# Altium PCB PCB1.PcbDoc (part 1 of 2) (continued)
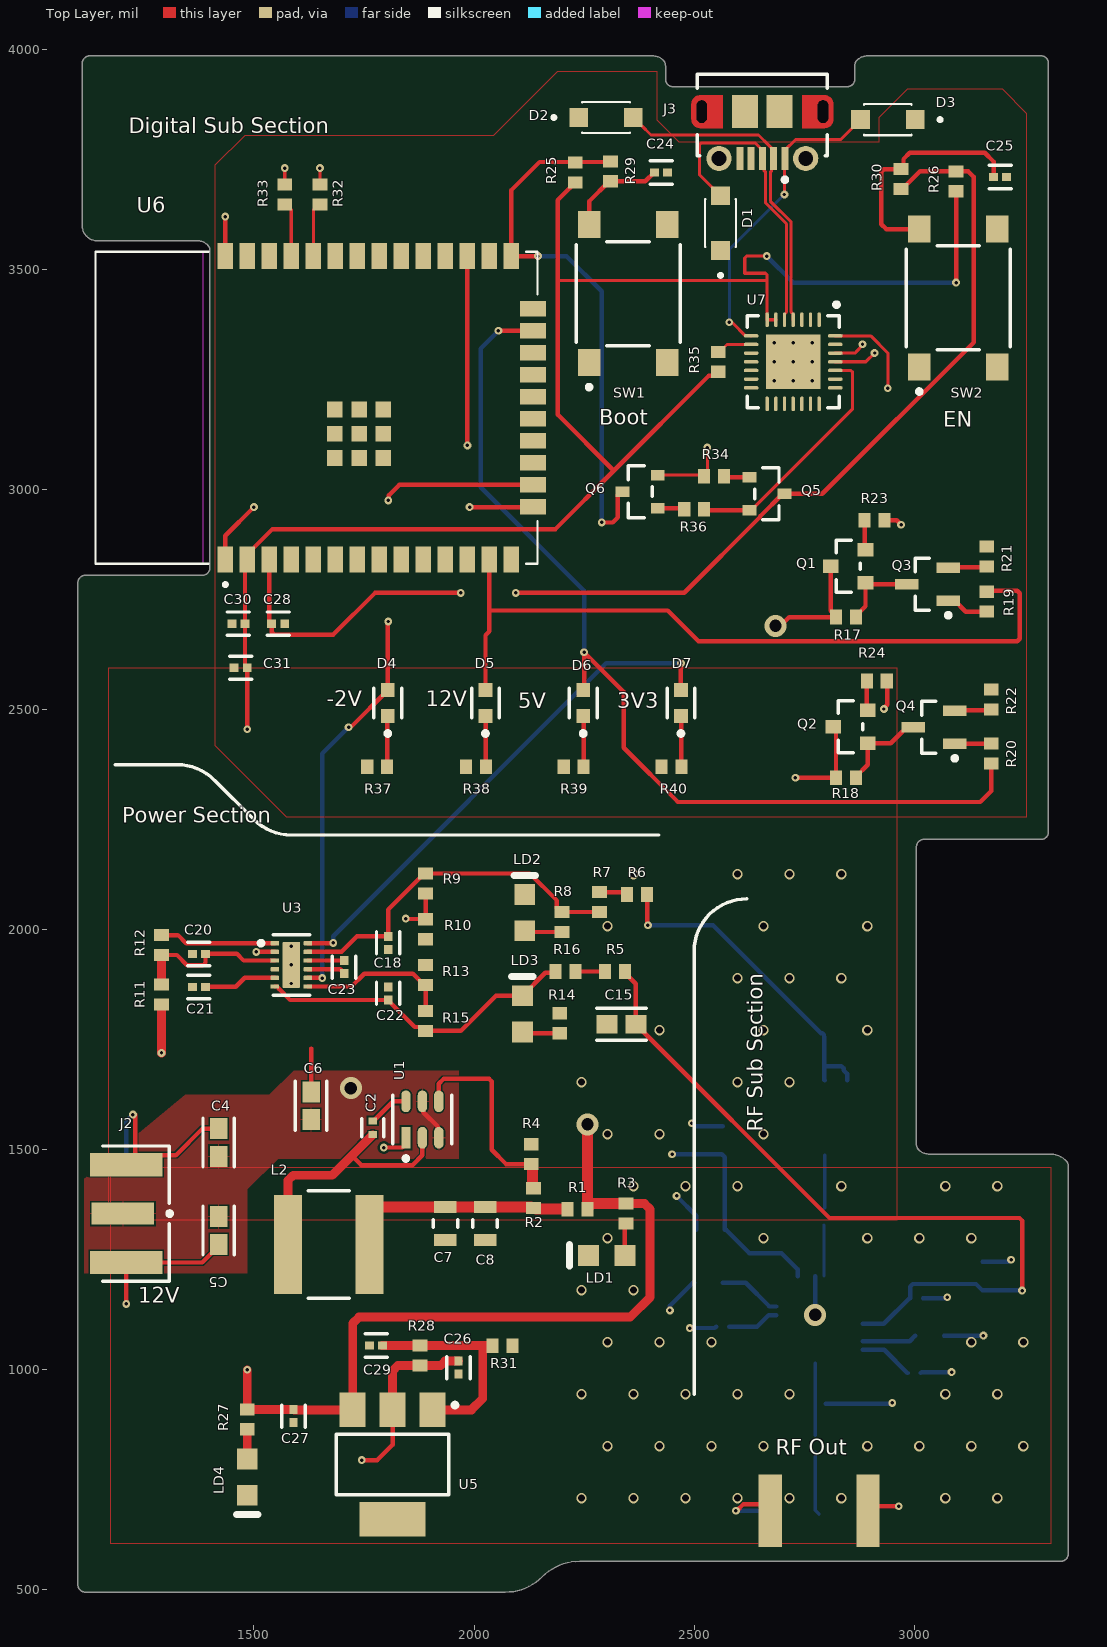
[diagram p0: Top Layer view]
## Board outline (continued)

## Design rules (kind name [scope] priority, off if disabled: settings)
BoardOutlineClearance [All] p1: gap=7.87 ignorepadtopadclearanceinfootprint=FALSE
Clearance [All] p1: gap=3.5 ignorepadtopadclearanceinfootprint=FALSE except(5: Arc-Via Track-Via SMDPad-Via THPad-Via Via-Via Via-Fill Via-Poly Via-Region Via-Text; 9.84: Arc-Hole Track-Hole SMDPad-Hole THPad-Hole Via-Hole Fill-Hole Poly-Hole Region-Hole Text-Hole)
ComponentClearance [All] p1: gap=3.5 collisioncheckmode=3 verticalgap=3.5 showdistances=TRUE
DiffPairsRouting [All] p1: maxlimit=3.5 minlimit=3.5 mostfreqgap=3.5 toplayer_minwidth=3.5 toplayer_maxwidth=71497.94 toplayer_prefwidth=3.5 midlayer1_minwidth=3.5 midlayer1_maxwidth=71497.94 midlayer1_prefwidth=3.5 bottomlayer_minwidth=3.5 bottomlayer_maxwidth=71497.94 bottomlayer_prefwidth=3.5 maxuncoupledlength=500
Height [All] p1: minheight=0 maxheight=71497.94 prefheight=500
HoleSize [All] p1: absolutevalues=TRUE maxlimit=248.03 minlimit=7.87 maxpercent=80.000 minpercent=20.000
HoleToHoleClearance [All] p1: gap=9.84 allowstackedmicrovias=FALSE
MinimumAnnularRing [All] p1: minimumring=3
MinimumSolderMaskSliver [All] p1: minsoldermaskwidth=0
PlaneClearance [All] p1: clearance=3.5
PlaneConnect PlaneConnectPowerPads [InPadClass('PowerPads')] p1: planeconnectstyle=Direct reliefexpansion=20 reliefentries=4 reliefconductorwidth=10 reliefairgap=10
PlaneConnect [All] p2: pad.planeconnectstyle=Relief pad.reliefexpansion=11.81 pad.reliefentries=4 pad.reliefconductorwidth=3.5 pad.reliefairgap=3.5 via.planeconnectstyle=Direct via.reliefexpansion=11.81 via.reliefentries=4 via.reliefconductorwidth=5 via.reliefairgap=5
PolygonConnect PolygonConnectPowerPads [All vs (InPadClass('PowerPads'))] p1: connectstyle=Direct reliefconductorwidth=10 reliefentries=4 polygonreliefangle="90 Angle" airgapwidth=10
PolygonConnect [All] p2: thpad.connectstyle=Relief thpad.reliefconductorwidth=3.5 thpad.reliefentries=4 thpad.polygonreliefangle="90 Angle" thpad.airgapwidth=3.5 smdpad.connectstyle=Relief smdpad.reliefconductorwidth=3.5 smdpad.reliefentries=4 smdpad.polygonreliefangle="90 Angle" smdpad.airgapwidth=3.5 via.connectstyle=Direct via.reliefconductorwidth=5 via.reliefentries=4 via.polygonreliefangle="90 Angle" via.airgapwidth=5
RoutingVias [All] p1: holewidth=7.87 width=17.72 viastyle="Through Hole" minholewidth=7.87 minwidth=17.72 maxholewidth=248.03 maxwidth=257.87
SilkToSilkClearance [All] p1: silktosilkclearance=0
SilkToSolderMaskClearance [IsPad] p1: minsilkscreentomaskgap=3.5 clearancetoexposedcopper=TRUE
SolderMaskExpansion [All] p1: expansion=2.95 istentingtop=FALSE
SupplyNets "Schematic Supply Nets_5" [InNet('GND')] p1: voltage=0.000
SupplyNets "Schematic Supply Nets_4" [InNet('RF_AMP_VDD_12V')] p2: voltage=0.000
SupplyNets "Schematic Supply Nets_3" [InNet('12PS5_Out')] p3: voltage=0.000
SupplyNets "Schematic Supply Nets_2" [InNet('ESP32_3V3')] p4: voltage=0.000
SupplyNets "Schematic Supply Nets_1" [InNet('VcoVcc3V')] p5: voltage=0.000
SupplyNets "Schematic Supply Nets" [InNet('+12V')] p6: voltage=0.000
Width Width_RF50 [InNetClass('50RF')] p1: maxlimit=10 minlimit=7.26 preferedwidth=10 bottomlayer_maxwidth=7.26 bottomlayer_prefwidth=7.26 impedanceprofiledriven=TRUE impedanceprofileid={9A43360E-365C-4584-B36D-1D618E2E895E} impedanceprofilevalue=50.000000 minimp=50.000000 maximp=50.000000 favimp=50.000000
Width [All] p2: maxlimit=71497.94 minlimit=3.5 preferedwidth=3.5
20 further rules are at their usual default settings.

## Classes and differential pairs
net class 50RF: NetC1_1 NetC3_2 RF_AMP_OUT VcoRfOut
differential pair ESP32_USB_D: +ESP32_USB_D_P -ESP32_USB_D_N

## Components (designator, comment, footprint, x,y, rotation, side; value= is the part's Value field where it differs from the comment)
C1 "GCM1555C1H102FA16D" FP-GCM155-0_05-IPC_A 2775,831.75 r270 bottom
C2 "GRM155R71C104KA88D" FP-GRM15-MFG 1770,1550 r270 top value=0.10μF
C3 "GCM1555C1H102FA16D" FP-GCM155-0_05-IPC_A 2795,1347.91 r270 bottom
C4 "GRM188R60J106ME47D" FP-GRM188-0_1-e0_2_0_55-IPC_A 1420,1516.57 r90 top
C5 "GRM188R60J106ME47D" FP-GRM188-0_1-e0_2_0_55-IPC_A 1420,1316.57 r270 top
C6 "GRM188R60J106ME47D" FP-GRM188-0_1-e0_2_0_55-IPC_A 1630,1600 r90 top
C7 "GRM21BR60J226ME39L" FP-GRM21B-0_15-MFG 1935,1332.6 r270 top
C8 "GRM21BR60J226ME39L" FP-GRM21B-0_15-MFG 2025,1332.6 r270 top
C9 "06035C102KAT2A" FP-0603-L_1_6_0_15-W_0_81-IPC_A 2532.49,1197.91 r180 bottom
C10 "CL05A475MP5NRNC" FP-CL282-IPC_C 2565,1097.91 r180 bottom
C11 "CL05A475MP5NRNC" FP-CL282-IPC_C 3000,992.91 r0 bottom
C12 "06035C102KAT2A" FP-0603-L_1_6_0_15-W_0_81-IPC_A 3035,1077.91 r0 bottom
C13 "CL05A475MP5NRNC" FP-CL282-IPC_C 3005,1162.91 r0 bottom
C14 "06035C102KAT2A" FP-0603-L_1_6_0_15-W_0_81-IPC_A 3155,1212.91 r90 bottom
C15 "06035C102KAT2A" FP-0603-L_1_6_0_15-W_0_81-IPC_A 2335,1785 r180 top
C16 "06035C102KAT2A" FP-0603-L_1_6_0_15-W_0_81-IPC_A 2537.49,1317.91 r180 bottom
C17 "06035C102KAT2A" FP-0603-L_1_6_0_15-W_0_81-IPC_A 2565,1520.43 r90 bottom
C18 "CL05A475MP5NRNC" FP-CL282-IPC_C 1805,1970 r90 top
C19 "GRJ155R60J106ME11D" FP-GRJ155-0_2-MFG 2813.7,1757.91 r0 bottom
C20 "CL05A475MP5NRNC" FP-CL282-IPC_C 1375.1,1945 r0 top
C21 "CL05A475MP5NRNC" FP-CL282-IPC_C 1375.1,1870 r0 top
C22 "CL05A475MP5NRNC" FP-CL282-IPC_C 1805,1855 r90 top
C23 "CL05A475MP5NRNC" FP-CL282-IPC_C 1705,1915.1 r270 top
C24 "CL05A475MP5NRNC" FP-CL282-IPC_C 2425,3720 r0 top
C25 "CL05A475MP5NRNC" FP-CL282-IPC_C 3195.1,3710 r0 top
C26 "CL05A475MP5NRNC" FP-CL282-IPC_C 1965,1005.1 r90 top
C27 "CL05A475MP5NRNC" FP-CL282-IPC_C 1590,895 r90 top
C28 "CL05A475MP5NRNC" FP-CL282-IPC_C 1555.1,2695 r0 top
C29 "CL05A475MP5NRNC" FP-CL282-IPC_C 1777.36,1055 r0 top
C30 "CL05A475MP5NRNC" FP-CL282-IPC_C 1464.9,2695 r0 top
C31 "CL05A475MP5NRNC" FP-CL282-IPC_C 1470,2595 r0 top
D1 "SMF16A" SODFL3718X102N 2560,3605 r90 top
D2 "SMF16A" SODFL3718X102N 2300,3845 r0 top
D3 "SMF16A" SODFL3718X102N 2940,3840 r180 top
D4 "LTST-C191TBKT" FP-LTST-C191TBKT-MFG 1804.02,2514.53 r90 top
D5 "LTST-C191TBKT" FP-LTST-C191TBKT-MFG 2026.01,2514.53 r90 top
D6 "LTST-C191TBKT" FP-LTST-C191TBKT-MFG 2248.01,2514.53 r90 top
D7 "LTST-C191TBKT" FP-LTST-C191TBKT-MFG 2470,2514.53 r90 top
J1 "SMA RF OUT" FP-SMA-J-P-H-ST-EM1-MFG 2783.78,409.92 r180 bottom
J2 "SMA RF OUT" FP-SMA-J-P-H-ST-EM1-MFG 940,1355 r270 top
J3 "105017-0001" USB-MICRO-B_V 2655,3805 r180 top
L1 "LQP03HQ1N2B02D" FP-LQP03HQ_02-MFG 2786.81,922.91 r180 bottom
L2 "NR6028T4R7M" FP-NR6028-MFG 1670,1285 r0 top
LD1 "HSMG-C170" AVAG-HSMX-C170_V 2301.34,1260 r180 top
LD2 "HSMG-C170" AVAG-HSMX-C170_V 2115,2038.66 r90 top
LD3 "HSMG-C170" AVAG-HSMX-C170_V 2110,1808.66 r90 top
LD4 "HSMG-C170" AVAG-HSMX-C170_V 1485,756.34 r270 top
Q1 "DMP1045U-7" FP-SOT23-MFG 2850,2825.55 r180 top
Q2 "DMP1045U-7" FP-SOT23-MFG 2855,2460.98 r180 top
Q3 "BC847B" INF-SOT23_M 3030,2785 r180 top
Q4 "BC847B" INF-SOT23_M 3045,2460 r180 top
Q5 "SS8050-G" FP-SS8050-G-MFG 2665.24,2990 r0 top
Q6 "SS8050-G" FP-SS8050-G-MFG 2377.44,2995 r180 top
R1 "CRCW060354K9FKEA" RESC1609X50X30LL10T20 2235,1365 r180 top
R2 "CRCW060354K9FKEA" RESC1609X50X30LL10T20 2135,1390 r270 top
R3 "CRCW060354K9FKEA" RESC1609X50X30LL10T20 2345,1355 r270 top
R4 "CRCW060354K9FKEA" RESC1609X50X30LL10T20 2130,1490 r270 top
R5 "CRCW060354K9FKEA" RESC1609X50X30LL10T20 2320,1905 r0 top
R6 "CRCW060354K9FKEA" RESC1609X50X30LL10T20 2370,2080 r0 top
R7 "CRCW060354K9FKEA" RESC1609X50X30LL10T20 2285,2062.64 r270 top
R8 "CRCW060354K9FKEA" RESC1609X50X30LL10T20 2200,2017.36 r270 top
R9 "CRCW060354K9FKEA" RESC1609X50X30LL10T20 1890,2105 r90 top
R10 "CRCW060354K9FKEA" RESC1609X50X30LL10T20 1890,2000.88 r90 top
R11 "CRCW060354K9FKEA" RESC1609X50X30LL10T20 1290,1852.36 r270 top
R12 "CRCW060354K9FKEA" RESC1609X50X30LL10T20 1290,1965 r90 top
R13 "CRCW060354K9FKEA" RESC1609X50X30LL10T20 1890,1896.76 r90 top
R14 "CRCW060354K9FKEA" RESC1609X50X30LL10T20 2195,1787.36 r270 top
R15 "CRCW060354K9FKEA" RESC1609X50X30LL10T20 1890,1792.64 r90 top
R16 "CRCW060354K9FKEA" RESC1609X50X30LL10T20 2207.64,1905 r180 top
R17 "CRCW060354K9FKEA" RESC1609X50X30LL10T20 2845,2710 r180 top
R18 "CRCW060354K9FKEA" RESC1609X50X30LL10T20 2845,2345 r180 top
R19 "CRCW060354K9FKEA" RESC1609X50X30LL10T20 3165,2745 r270 top
R20 "CRCW060354K9FKEA" RESC1609X50X30LL10T20 3175,2400 r90 top
R21 "CRCW060354K9FKEA" RESC1609X50X30LL10T20 3165,2847.64 r270 top
R22 "CRCW060354K9FKEA" RESC1609X50X30LL10T20 3175,2522.64 r270 top
R23 "CRCW060354K9FKEA" RESC1609X50X30LL10T20 2910,2930 r0 top
R24 "CRCW060354K9FKEA" RESC1609X50X30LL10T20 2915,2565 r0 top
R25 "CRCW060354K9FKEA" RESC1609X50X30LL10T20 2230,3720 r90 top
R26 "CRCW060354K9FKEA" RESC1609X50X30LL10T20 3095,3700 r90 top
R27 "CRCW060354K9FKEA" RESC1609X50X30LL10T20 1485,887.64 r90 top
R28 "CRCW060354K9FKEA" RESC1609X50X30LL10T20 1877.36,1032.64 r270 top
R29 "CRCW060354K9FKEA" RESC1609X50X30LL10T20 2310,3722.64 r270 top
R30 "CRCW060354K9FKEA" RESC1609X50X30LL10T20 2970,3705 r90 top
R31 "CRCW060354K9FKEA" RESC1609X50X30LL10T20 2065,1055 r180 top
R32 "CRCW060354K9FKEA" RESC1609X50X30LL10T20 1650,3670 r270 top
R33 "CRCW060354K9FKEA" RESC1609X50X30LL10T20 1570,3670 r270 top
R34 "CRCW060354K9FKEA" RESC1609X50X30LL10T20 2545,3030 r180 top
R35 "CRCW060354K9FKEA" RESC1609X50X30LL10T20 2555,3290 r90 top
R36 "CRCW060354K9FKEA" RESC1609X50X30LL10T20 2500.08,2955 r180 top
R37 "CRCW060354K9FKEA" RESC1609X50X30LL10T20 1780,2370 r180 top
R38 "CRCW060354K9FKEA" RESC1609X50X30LL10T20 2004.36,2370 r180 top
R39 "CRCW060354K9FKEA" RESC1609X50X30LL10T20 2226.35,2370 r180 top
R40 "CRCW060354K9FKEA" RESC1609X50X30LL10T20 2448.35,2370 r180 top
SW1 "PTS645SM43SMTR92LFS" FP-PTS645SM43SMTR92LFS-MFG 2350,3445 r90 top
SW2 "PTS645SM43SMTR92LFS" FP-PTS645SM43SMTR92LFS-MFG 3100,3435 r90 top
U1 "TPS562201DDCR" FP-DDC0006A-IPC_C 1882.6,1568.65 r90 top
U2 "HMC637ALP5E" FP-HCP-32-1-IPC_A 2784.84,1114.37 r270 bottom
U3 "LM27762DSSR" FP-DSS0012B-MFG 1585,1920 r0 top
U4 "HMC358MS8GE" FP-MS8GE-MFG 2835,1572.91 r270 bottom
U5 "NCP1117ST33T3G" ONSC-SOT-223-4-318H-01_A_V 1815,785 r270 top
U6 "ESP32-WROOM-32E_(4MB_HIGH_TEMP)" XCVR_ESP32-WROOM-32E_(4MB_HIGH_TEMP) 1642.09,3185.51 r90 top
U7 "CP2102-GM" SLAB-QFN-28-3125x3125TP_N 2725,3290 r270 top

## Footprints (in the part's own frame and the unit in brackets; to place one, negate y for a bottom-side part, rotate by r counter-clockwise, add the part's x,y. Pads: shape width x height; smd on the part's side, far side on the other; paste and mask are expansions set on the pad)
AVAG-HSMX-C170_V [mm] "SMD, 2-Leads, Body 2x1.25mm, Height 0.8mm"
  rect 1.2x1.2 smd: 1(-1.05,0) 2(1.05,0)
  silkscreen extent 2.15,-0.63 2.15,0.63, body extent -1,-0.63 1,0.63, height 0.8
FP-0603-L_1_6_0_15-W_0_81-IPC_A [mil]
  rect 47.5x42.06 smd paste+0 mask+0: 1(-32.51,0) 2(32.51,0)
  silkscreen extent -56,-37 56,37, body extent -31,-16 31,16, height 35
FP-CL282-IPC_C [mil]
  rect 20.29x18.6 smd paste+0 mask+0: 1(-14.9,0) 2(14.9,0)
  silkscreen extent -25,-27 25,27, body extent -20,-10 20,10, height 22
FP-DDC0006A-IPC_C [mm]
  rect 1.254x0.532 smd paste+0 mask+0: 1(-1.05,0.95)
  rrect100% 1.254x0.532 smd paste+0 mask+0: 2(-1.05,0) 3(-1.05,-0.95) 4(1.05,-0.95) 5(1.05,0) 6(1.05,0.95)
  silkscreen extent -2.37,-1.7 1.4,1.7, body extent -1.78,-1.55 1.78,1.55, height 0.25
FP-DSS0012B-MFG [mm]
  rrect40% 0.5x0.25 smd paste+0 mask+0: 1(-0.95,1.25) 2(-0.95,0.75) 3(-0.95,0.25) 4(-0.95,-0.25) 5(-0.95,-0.75) 6(-0.95,-1.25) 7(0.95,-1.25) 8(0.95,-0.75) 9(0.95,-0.25) 10(0.95,0.25) 11(0.95,0.75) 12(0.95,1.25)
  rrect10% 1x2.65 smd paste-1000 mask+0: 13(0,0)
  silkscreen extent -1.87,-1.75 1.05,1.75, body extent -1.3,-1.65 1.3,1.65, height 0.25
FP-GCM155-0_05-IPC_A [mil]
  rect 28.16x26.48 smd paste+0 mask+0: 1(-18.84,0) 2(18.84,0)
  silkscreen extent -33,-29 33,29, body extent -20,-10 20,10, height 22
FP-GRJ155-0_2-MFG [mm]
  rect 0.45x0.6 smd paste+0 mask+0: 1(-0.475,0) 2(0.475,0)
  silkscreen extent -0.6,-0.63 0.6,0.63, body extent -0.5,-0.25 0.5,0.25, height 0.7
FP-GRM15-MFG [mm]
  rect 0.4x0.5 smd paste+0 mask+0: 1(-0.4,0) 2(0.4,0)
  silkscreen extent -0.53,-0.63 0.53,0.63, body extent -0.7,-0.38 0.7,0.38, height 0.25
FP-GRM21B-0_15-MFG [mm]
  rect 0.7x1.3 smd paste+0 mask+0: 1(-0.95,0) 2(0.95,0)
  silkscreen extent -0.23,-0.7 0.23,0.7, body extent -1.4,-0.8 1.4,0.8, height 0.25
FP-GRM188-0_1-e0_2_0_55-IPC_A [mil]
  rect 47.57x39.85 smd paste+0 mask+0: 1(-31.57,0) 2(31.57,0)
  silkscreen extent -55,-36 55,36, body extent -75,-40 75,40, height 10
FP-HCP-32-1-IPC_A [mm]
  rect 0.906x0.239 smd paste+0 mask+0: 1(-2.503,1.75)
  rrect100% 0.906x0.239 smd paste+0 mask+0: 2(-2.503,1.25) 3(-2.503,0.75) 4(-2.503,0.25) 5(-2.503,-0.25) 6(-2.503,-0.75) 7(-2.503,-1.25) 8(-2.503,-1.75) 17(2.503,-1.75) 18(2.503,-1.25) 19(2.503,-0.75) 20(2.503,-0.25) 21(2.503,0.25) 22(2.503,0.75) 23(2.503,1.25) 24(2.503,1.75)
  rrect100% 0.239x0.906 smd paste+0 mask+0: 9(-1.75,-2.503) 10(-1.25,-2.503) 11(-0.75,-2.503) 12(-0.25,-2.503) 13(0.25,-2.503) 14(0.75,-2.503) 15(1.25,-2.503) 16(1.75,-2.503) 25(1.75,2.503) 26(1.25,2.503) 27(0.75,2.503) 28(0.25,2.503) 29(-0.25,2.503) 30(-0.75,2.503) 31(-1.25,2.503) 32(-1.75,2.503)
  rect 3.8x3.8 smd paste-1000 mask+0: 33(0,0)
  silkscreen extent -3.88,-2.5 2.5,2.5, body extent -2.5,-2.5 2.5,2.5, height 1
FP-LQP03HQ_02-MFG [mm]
  rect 0.3x0.275 smd paste+0 mask+0: 1(-0.3,0) 2(0.3,0)
  silkscreen extent -0.32,-0.56 0.32,0.55, body extent -0.3,-0.15 0.3,0.15, height 0.42
FP-LTST-C191TBKT-MFG [mm]
  rect 0.8x0.8 smd paste+0 mask+0: 1(-0.75,0) 2(0.75,0)
  silkscreen extent -1.87,-0.8 0.85,0.8, body extent -1.25,-0.55 1.25,0.55, height 0.25
FP-MS8GE-MFG [mm]
  rect 1.2x0.45 smd paste+0 mask+0: 1(-2.15,0.975) 2(-2.15,0.325) 3(-2.15,-0.325) 4(-2.15,-0.975) 5(2.15,-0.975) 6(2.15,-0.325) 7(2.15,0.325) 8(2.15,0.975)
  rect 1.85x2.49 smd paste+0 mask+0: 9(0,0)
  silkscreen extent -3.45,-1.65 1.55,1.68, body extent -2.46,-1.5 2.46,1.5, height 1.1
FP-NR6028-MFG [mm]
  rect 1.6x5.7 smd paste+0 mask+0: 1(-2.35,0) 2(2.35,0)
  silkscreen extent -1.17,-3.1 1.17,3.1, body extent -3.25,-3.2 3.25,3.2, height 0.25
FP-PTS645SM43SMTR92LFS-MFG [mm]
  rect 1.55x1.3 smd paste+0 mask+0: 1(-3.975,2.25) 2(3.975,2.25) 3(-3.975,-2.25) 4(3.975,-2.25)
  silkscreen extent -5.52,-3 3,3, body extent -4.85,-3.1 4.85,3.1, height 0.25
FP-SMA-J-P-H-ST-EM1-MFG [mm]
  rect 1.27x3.6 smd paste+0 mask+0: 1(0,6.66)
  rect 1.35x4.2 smd paste+0 mask+0: 2(-2.825,6.86) 3(2.825,6.86)
  rect 1.35x4.2 smd far side paste+0 mask+0: 4(-2.825,6.86) 5(2.825,6.86)
  silkscreen extent -3.9,5.5 3.9,9.48, body extent -3.18,-4.76 3.18,8.57, height 3.81
FP-SOT23-MFG [mm]
  rect 0.9x0.8 smd paste+0 mask+0: 1(-1,0.95) 2(-1,-0.95) 3(1,0)
  silkscreen extent -0.7,-1.5 0.7,1.5, body extent -1.55,-1.6 1.55,1.6, height 0.25
FP-SS8050-G-MFG [mm]
  rect 0.8x0.6 smd paste+0 mask+0: 1(-1.01,0.95) 2(-1.01,-0.95) 3(1.01,0)
  silkscreen extent -0.7,-1.5 0.7,1.5, body extent -1.51,-1.6 1.51,1.6, height 0.25
INF-SOT23_M [mm] "SOT23, 3-Leads, Body 2.9x1.3 mm, Pitch 0.95 mm, IPC Low Density"
  rect 1.35x0.6 smd: 1(-1.2,0.95) 2(-1.2,-0.95) 3(1.2,0)
  silkscreen extent -1.33,-1.5 0.7,1.92, body extent -0.7,-1.5 0.7,1.5, height 1.1
ONSC-SOT-223-4-318H-01_A_V [mm] "SOT223, 4-Leads, Body 6.5x3.5mm, Pitch 2.3mm"
  rect 2x1.5 smd: 1(-3.15,2.3) 2(-3.15,0) 3(-3.15,-2.3)
  rect 2x3.8 smd: 4(3.15,0)
  silkscreen extent -3.55,-3.25 1.75,3.73, body extent -1.75,-3.25 1.75,3.25, height 1.8
RESC1609X50X30LL10T20 [mm] "Chip Resistor, 2-Leads, Body 1.55x0.85mm, IPC High Density"
  rect 0.7x0.85 smd: 1(-0.575,0) 2(0.575,0)
  body extent -0.82,-0.48 0.82,0.48, height 0.5
SLAB-QFN-28-3125x3125TP_N [mm] "QFN, 28-Leads, Body 5x5mm, Pitch 0.5mm, Thermal Pad 3.13x3.13mm, IPC Medium Density"
  oval 0.85x0.2 smd: 1(-2.425,1.5) 2(-2.425,1) 3(-2.425,0.5) 4(-2.425,0) 5(-2.425,-0.5) 6(-2.425,-1) 7(-2.425,-1.5) 15(2.425,-1.5) 16(2.425,-1) 17(2.425,-0.5) 18(2.425,0) 19(2.425,0.5) 20(2.425,1) 21(2.425,1.5)
  oval 0.2x0.85 smd: 8(-1.5,-2.425) 9(-1,-2.425) 10(-0.5,-2.425) 11(0,-2.425) 12(0.5,-2.425) 13(1,-2.425) 14(1.5,-2.425) 22(1.5,2.425) 23(1,2.425) 24(0.5,2.425) 25(0,2.425) 26(-0.5,2.425) 27(-1,2.425) 28(-1.5,2.425)
  rect 3.13x3.13 smd: 29(0,0)
  silkscreen extent -3.42,-2.65 2.65,2.65, body extent -2.5,-2.5 2.5,2.5, height 1
SODFL3718X102N [mm]
  rect 1.08x1.09 smd: A(1.575,0) C(-1.575,0)
  silkscreen extent -3.11,-0.9 1.38,0.9, body extent -1.85,-0.9 1.85,0.9, height 1.02
USB-MICRO-B_V [mm] "USB, MICRO B, Body 7.491x4.695 mm, Pitch 0.65 mm"
  rect 0.4x1.35 smd: 1(-1.3,1.35) 2(-0.65,1.35) 3(0,1.35) 4(0.65,1.35) 5(1.3,1.35)
  round 1.45 hole 0.85: 6(-2.5,1.35) 7(2.5,1.35)
  rrect50% 0x0 hole 0.6 slot 1.3 at 90 deg: 8(-3.5,-1.35) 11(3.5,-1.35)
  rect 1.5x1.9 smd: 9(-1,-1.35) 10(1,-1.35)
  Top Layer circle w0.5: c3.6,-0.9 r0.25
  Top Layer circle w0.5: c3.6,-1.8 r0.25
  Top Layer circle w0.5: c-3.6,-0.9 r0.25
  Top Layer circle w0.5: c-3.6,-1.8 r0.25
  Top Layer region: -2.3,-2.3 -2.3,-0.4 -3.6,-0.4 -3.6,-2.3
  Top Layer region: 2.3,-0.4 2.3,-2.3 3.6,-2.3 3.6,-0.4
  Top Layer region: 3.6,-0.9 3.6,-1.8 4.1,-1.8 4.1,-0.9
  Top Layer region: -3.6,-1.8 -3.6,-0.9 -4.1,-0.9 -4.1,-1.8
  silkscreen extent -3.75,-3.5 3.75,2.7, body extent -4.1,-3.9 4.1,1.5, height 2.67
XCVR_ESP32-WROOM-32E_(4MB_HIGH_TEMP) [mm]
  rect 1.5x0.9 smd: 1(-8.75,5.26) 2(-8.75,3.99) 3(-8.75,2.72) 4(-8.75,1.45) 5(-8.75,0.18) 6(-8.75,-1.09) 7(-8.75,-2.36) 8(-8.75,-3.63) 9(-8.75,-4.9) 10(-8.75,-6.17) 11(-8.75,-7.44) 12(-8.75,-8.71) 13(-8.75,-9.98) 14(-8.75,-11.25) 25(8.75,-11.25) 26(8.75,-9.98) 27(8.75,-8.71) 28(8.75,-7.44) 29(8.75,-6.17) 30(8.75,-4.9) 31(8.75,-3.63) 32(8.75,-2.36) 33(8.75,-1.09) 34(8.75,0.18) 35(8.75,1.45) 36(8.75,2.72) 37(8.75,3.99) 38(8.75,5.26)
  rect 0.9x1.5 smd: 15(-5.715,-12.5) 16(-4.445,-12.5) 17(-3.175,-12.5) 18(-1.905,-12.5) 19(-0.635,-12.5) 20(0.635,-12.5) 21(1.905,-12.5) 22(3.175,-12.5) 23(4.445,-12.5) 24(5.715,-12.5)
  rect 0.9x0.9 smd: 39_1(-2.9,-1.06) 39_2(-1.5,-1.06) 39_3(-0.1,-1.06) 39_4(-2.9,-2.46) 39_5(-1.5,-2.46) 39_6(-0.1,-2.46) 39_7(-2.9,-3.86) 39_8(-1.5,-3.86) 39_9(-0.1,-3.86)
  Keep-Out Layer region: 9,6.56 -9,6.56 -9,12.75 9,12.75
  silkscreen extent -10.3,-12.75 9,12.75, body extent -9,-12.75 9,12.75, height 3.25

## Part data
C1 C3: library part CMP-06035-056113-1, "Ceramic Capacitor for Automotive 1nF ±1% 50VDC C0G 0402 Paper T/R", Capacitance=1000p, Case Code (Imperial)=0402, Case Code (Metric)=1005, Max Operating Temperature=125°C, Min Operating Temperature=-55°C, Ratings=AEC-Q200, Tolerance=1%, Voltage Rating=50V, Case/Package=0402, Mount="Surface Mount", Packaging="Tape and Reel"
C2: library part CMP-2100-03641-2, "CAP CER 0.1UF 16V X7R 0402", Capacitance=0.10μF, Manufacturer=Murata, Package=GRM15, Temperature="-55°C to +125°C", Temperature Characteristic=X7R, Temperature Range High=+125°C, Temperature Range Low=-55°C, Tolerance=10%, Voltage Rating=16Vdc, Category=Cap, ComponentLink2Description=Datasheet, ComponentLink2URL=https://search.murata.co.jp/Ceramy/image/img/A01X/G101/ENG/GRM155R71H471KA01-01A.pdf, Device Class L1="Passive Components", Device Class L2=Capacitors, Device Class L3="Ceramic Capacitors", Digikey Description="CAP CER 0.1UF 16V X7R 0402", Height=0.55mm, Ipc Land Pattern Name=CAPC10050X219, Lead Free=yes, Manufacturer Part Number=GRM155R71C104KA88D, Material=Ceramic, Mouser Description="0402 0.1 uF 16V ±10 % Tolerance X7R SMT Multilayer Ceramic Capacitor", Octopart=https://octopart.com/grm155r71c104ka88d-murata-196880, RoHS=TRUE, Standoff Height=0mm
C4 C5 C6: library part CMP-2006-02792-2, "Chip Multilayer Ceramic Capacitors for General Purpose, 0603, 10uF, X5R, 15%, 20%, 6.3V", Capacitance=10uF, Case Code (Imperial)=0603, Case Code (Metric)=1608, Dielectric=X5R, Max Operating Temperature=85°C, Min Operating Temperature=-55°C, Package Quantity=4000, Tolerance=20%, Voltage=6.3V, Case/Package=0603, Depth=0.8mm, Height=0.8mm, Lead Free="Lead Free", Length=1.6mm, Material=Ceramic, Mount="Surface Mount", Packaging="Tape and Reel", Radiation Hardening=No, REACH SVHC="No SVHC", Termination=SMD/SMT, Thickness=0.035inch, Voltage Rating=6.3V, Voltage Rating (DC)=6.3V, Width=0.031inch
C7 C8: library part CMP-2007-03385-2, "Chip Multilayer Ceramic Capacitors for General Purpose, 0805, 22uF, X5R, 15%, 20%, 6.3V", Capacitance=22uF, Case Code (Imperial)=0805, Case Code (Metric)=2012, Dielectric=X5R, Max Operating Temperature=85°C, Min Operating Temperature=-55°C, Package Quantity=1, Tolerance=20%, Voltage=6.3V, Case/Package=0805, Depth=1.25mm, Height=1.25mm, Lead Free="Lead Free", Length=2mm, Material=Ceramic, Mount="Surface Mount", Packaging="Tape and Reel", Radiation Hardening=No, REACH SVHC="No SVHC", Termination=SMD/SMT, Thickness=0.053inch, Voltage Rating=6.3V, Voltage Rating (DC)=6.3V, Width=0.049inch
C9 C12 C14 C15 C16 C17: library part CMP-2006-04378-2, "General Purpose Ceramic Capacitor, 0603, 1nF, 10%, X7R, 15%, 50V", Capacitance=1000pF, Case Code (Imperial)=0603, Case Code (Metric)=1608, Dielectric=X7R, Dielectric Material=Ceramic, Max Operating Temperature=125°C, Min Operating Temperature=-55°C, Package Quantity=4000, Tolerance=10%, Voltage=50V, Case/Package=0603, Construction=Flat, Contact Plating=Tin, Depth=0.81mm, Height=0.9mm, Lead Free="Lead Free", Length=1.6mm, Mount="Surface Mount", Number of Pins=2, Packaging="Tape and Reel", Radiation Hardening=No, REACH SVHC="No SVHC", RoHS Compliant=Yes, Series=-, Termination=SMD/SMT, Thickness=0.035inch, Voltage Rating=50V, Voltage Rating (DC)=50V, Weight=7.1E-05oz, Width=0.032inch
C10 C11 C13 C21 C23: library part CMP-13271-000548-1, "Cap Ceramic 4.7uF 10V X5R ±20% SMD 0402 +85°C Paper T/R", Capacitance=4.7uF, Case Code (Imperial)=0402, Case Code (Metric)=1005, Dielectric=X5R, Max Operating Temperature=85°C, Min Operating Temperature=-55°C, Package Quantity=10000, Tolerance=20%, Voltage Rating=10V, Case/Package=0402, Lead Free="Lead Free", Length=0.039inch, Mount="Surface Mount", Packaging="Tape and Reel", Thickness=0.022inch, Width=0.02inch
C18 C20 C22: library part CMP-13271-000548-1, "Cap Ceramic 4.7uF 10V X5R ±20% SMD 0402 +85°C Paper T/R", Capacitance=2.2uF, Case Code (Imperial)=0402, Case Code (Metric)=1005, Dielectric=X5R, Max Operating Temperature=85°C, Min Operating Temperature=-55°C, Package Quantity=10000, Tolerance=20%, Voltage Rating=10V, Case/Package=0402, Lead Free="Lead Free", Length=0.039inch, Mount="Surface Mount", Packaging="Tape and Reel", Thickness=0.022inch, Width=0.02inch
C19: library part CMP-06035-062410-1, "CAP CER 10UF 6.3V X5R 0402", Capacitance=10uF, Case Code (Imperial)=0402, Case Code (Metric)=1005, Max Operating Temperature=85°C, Min Operating Temperature=-55°C, Tolerance=20%, Voltage Rating=6.3V, Case/Package=0402, Features="Soft Termination", Length=0.039inch, Mount="Surface Mount", Packaging="Cut Tape", RoHS Compliant=Yes, Thickness=0.028inch, Width=0.02inch
C24 C25 C28 C29: library part CMP-13271-000548-1, "Cap Ceramic 4.7uF 10V X5R ±20% SMD 0402 +85°C Paper T/R", Capacitance=10uF, Case Code (Imperial)=0402, Case Code (Metric)=1005, Dielectric=X5R, Max Operating Temperature=85°C, Min Operating Temperature=-55°C, Package Quantity=10000, Tolerance=20%, Voltage Rating=10V, Case/Package=0402, Lead Free="Lead Free", Length=0.039inch, Mount="Surface Mount", Packaging="Tape and Reel", Thickness=0.022inch, Width=0.02inch
C26 C30 C31: library part CMP-13271-000548-1, "Cap Ceramic 4.7uF 10V X5R ±20% SMD 0402 +85°C Paper T/R", Capacitance=22uF, Case Code (Imperial)=0402, Case Code (Metric)=1005, Dielectric=X5R, Max Operating Temperature=85°C, Min Operating Temperature=-55°C, Package Quantity=10000, Tolerance=20%, Voltage Rating=10V, Case/Package=0402, Lead Free="Lead Free", Length=0.039inch, Mount="Surface Mount", Packaging="Tape and Reel", Thickness=0.022inch, Width=0.02inch
C27: library part CMP-13271-000548-1, "Cap Ceramic 4.7uF 10V X5R ±20% SMD 0402 +85°C Paper T/R", Capacitance=108F, Case Code (Imperial)=0402, Case Code (Metric)=1005, Dielectric=X5R, Max Operating Temperature=85°C, Min Operating Temperature=-55°C, Package Quantity=10000, Tolerance=20%, Voltage Rating=10V, Case/Package=0402, Lead Free="Lead Free", Length=0.039inch, Mount="Surface Mount", Packaging="Tape and Reel", Thickness=0.022inch, Width=0.02inch
D1 D2 D3: "200W, 18.8V, 5%, Unidirectional, TVS", Package="SOD-123W-2 Taiwan Semiconductor", Check_prices=https://www.snapeda.com/parts/SMF16A/taiwan/view-part/?ref=eda, MF="Taiwan Semiconductor", MP=SMF16A, SnapEDA_Link=https://www.snapeda.com/parts/SMF16A/taiwan/view-part/?ref=snap
D4 D5 D6 D7: library part CMP-22017-000008-1, "LED BLUE CLEAR CHIP SMD", Case Code (Imperial)=0603, Case Code (Metric)=1608, Color=Blue, Forward Current=20mA, Forward Voltage=3.8V, Lens Color=Colorless, Max Operating Temperature=80°C, Max Power Dissipation=75mW, Min Operating Temperature=-20°C, Package Quantity=1, Power Dissipation=76mW, Reverse Voltage=5V, Case/Package=0603, Depth=1.6mm, Dominant Wavelength=475nm, Height=0.55mm, Illumination Color=Blue, Lead Free="Lead Free", Length=0.8mm, Lens Style=Diffused, Lens Transparency=Clear, Luminous Intensity=180mcd, Mount="Surface Mount", Number of Elements=1, Number of LEDs=1, Number of Pins=2, Packaging="Tape and Reel", Radiation Hardening=No, Test Current=20mA, Viewing Angle=130°, Wavelength=468nm, Width=0.8mm
J1 J2: library part CMP-02754-000006-1, "CONN SMA JACK STR 50OHM EDGE MNT", Case/Package=SMA, Dielectric Material=PTFE, Housing Color=Gold, Max Frequency=6GHz, Max Operating Temperature=125°C, Min Operating Temperature=-65°C, Package Quantity=1, Voltage Rating=335V, Body Material=Brass, Body Plating=Gold, Center Contact Plating=Gold, Connector Type=SMA, Contact Material=Copper, Contact Plating=Gold, Depth=13.33mm, Fastening Type=Threaded, Impedance=50R, Insulation Material=Polytetrafluoroethylene, Length=6.35mm, Mount=Edge, Orientation=Straight, Packaging=Tray, Radiation Hardening=No, RoHS Compliant=Yes, Series=SMA, Termination=Solder
J3: library part CMP-2000-05827-1, "Micro-USB B Receptacle, Right Angle, Bottom Mount, Surface Mount, with Solder Tabs, -30 to 85 degC, 5-Pin USB, RoHS, Tape and Reel", Manufacturer=Molex, Package Description="5-Leads USB, Micro B, Body 7.5 x 5 mm, Pitch 0.65 mm", Package Reference=MICRO-B, Package Version="Rev. F, 12/2012", Standard Package=1, Voltage - Max=30V, 3D Model=105017-0001.stp, Catalog Drawings=1050170001, Category=Connectors,Interconnects, Circuits=5, Connector Type=USB-microB, Datasheet URL=http://www.molex.com/elqNow/elqRedir.htm?ref=http://www.molex.com/webdocs/datasheets/pdf/en-us/1050170001_IO_CONNECTORS.pdf, Datasheet Version=03/2016, Family=USB,DVI,HDMIConnectors, Featured Product=Micro-USBConnectorsUSBConnectors, Features=Shielded,SolderRetention, Gender=Receptacle, Ingress Protection=-, Manufacturer URL=http://www.molex.com/, Mating Products=WM17145-ND-CABLEMICROUSBBTOSTDA1.0MWM17147-ND-CABLEMICROUSBBTOSTDA2.0MWM17146-ND-CABLEMICROUSBBTOSTDA1.5M, Mounting Technology=SurfaceMount, Mounting Type=BoardCutout,SurfaceMount,RightAngle, Number of Contacts=5, Online Catalog=Molex-MicroUSB, Other Names=WM1399DKR, Package URL=http://www.molex.com/pdm_docs/sd/1050170001_sd.pdf, Packaging=Digi-Reel®, PCN Assembly/Origin=ResinSupplier21/Oct/2015, RoHS Information=1050170001CertofCompliance, Series=-, Specifications=-
L1: library part CMP-06042-014208-1, "Film type RF Inductor 1.2nH ±0.1nH 1100mA 0.04Ω 0201 (0603)", Case Code (Imperial)=0201, Case Code (Metric)=0603, Current Rating=1.1A, DC Resistance (DCR)=40mR, Inductance=1.2nH, Max Operating Temperature=125°C, Min Operating Temperature=-55°C, Resistor Type="Thin Film", Self Resonant Frequency=13GHz, Test Frequency=500MHz, Case/Package=0201, Core Material=Non-Magnetic, Mount="Surface Mount", Packaging="Tape and Reel", Shielding=Unshielded
L2: library part CMP-14484-000037-2, "SMD Power Inductors 4.7uH ±20% 2.7A 40.3mΩ", Case/Package=2424, Current Rating=3A, DC Resistance (DCR)=40.3mR, Inductance=4.7uH, Inductance Tolerance=20%, Max Operating Temperature=120°C, Min Operating Temperature=-25°C, Package Quantity=2000, Resistor Type=Wirewound, Saturation Current=2.7A, Self Resonant Frequency=39MHz, Test Frequency=100kHz, Core Material=Ferrite, Depth=6.2mm, Halogen Free="Halogen Free", Height=2.8mm, Height - Seated (Max)=0.11inch, Lead Free="Lead Free", Length=0.236inch, Max DC Current=3A, Mount="Surface Mount", Number of Pins=2, Packaging="Tape and Reel", Radiation Hardening=No, RMS Current (Irms)=3A, RoHS Compliant=Yes, Series=NR, Shielding=Shielded, Termination=SMD/SMT, Tolerance=20%, Width=0.236inch
LD1 LD2 LD3 LD4: library part CMP-2000-05062-1, "Chip LED, Green, 2.2 V, -40 to 85 degC, 2-Pin SMD, Pb-Free, Tape and Reel", Forward Current If=20mA, Forward Voltage=2.2V, Forward Voltage VF Max=2.6V, LED Colour=Green, Manufacturer=Avago, Operating Temperature Max=85degC, Operating Temperature Min=-30degC, Operating Temperature Range=-30degCto+85degC, Opto Case Style=SMD, Package Description="2-Pin Surface Mount Device, Body 2 x 1.25 mm, Height 0.8 mm", Package Reference=HSMX-C170, Storage Temperature Min=-40degC, Bulb Size=1.25mmx1.4mm, Datasheet URL=https://datasheet.ciiva.com/29280/180495-da-01-en-chip-led-hsmg-c170-gelb-gruen-29280971.pdf, Datasheet Version=Oct-08, Dominant Wavelength=572nm, Dominant Wavelength Typ=572nm, External Depth=0.8mm, External Length / Height=2mm, External Width=1.25mm, Forward Current If Max=20mA, LED Mounting=SMD, LED Type=Standard, Lens Shape=Rectangular, Light Area Height=1mm, Luminous Intensity=15mcd, Luminous Intensity Min=4mcd, Luminous Intensity Typ=15mcd, Manufacturer URL=http://www.avagotech.com/, Mounting Type=SMD, MSL=MSL2A-4weeks, No. of Pins=2, Opto Mounting Orientation=Top, Packaging=CutTape, Peak Forward Current=20mA, Peak Wavelength=570nm, PIV Max=5V, Storage Temperature Max=85degC, SVHC=NoSVHC(16-Jun-2014), Viewing Angle=170deg, Voltage Vf Typ=2.2V, Wavelength Typ=570nm
Q1 Q2: library part CMP-12801-000025-1, "MOSFET P-CH 12V 4A SOT23", Continuous Drain Current=4A, Drain To Source Breakdown Voltage=-12V, Drain To Source Resistance=26mΩ, Gate To Source Voltage=8V, Input Capacitace At Vds="1357pF @ -10V", Manufacturer="Diodes Inc.", Max Junction Temp=+150°C, Package=SOT23, Power Dissipation=0.8W, Pulse Drain Current=40A, Temperature="-55°C to +150°C", Temperature Range Low=-55°C, Typ Forward Diode Voltage=-0.6V, Automotive=No, Automotive Grade=NA, Category=Trans, ComponentLink2Description=Datasheet, ComponentLink2URL=https://www.diodes.com/assets/Datasheets/DMP1045U.pdf, Depletion Mode=False, Device Class L1="Discrete Semiconductors", Device Class L2=Transistors, Device Class L3=MOSFETs, Digikey Description="MOSFET P-CH 12V 4A SOT23", Drain To Source Voltage=-12V, Footprint Url=https://www.diodes.com/assets/Package-Files/SOT23.pdf, Gate Charge At Vgs="15.8nC @ -4.5V", Height=1.1mm, Ipc Land Pattern Name=SOT92P240X102-3, Lead Free=Yes, Manufacturer Part Number=DMP1045U-7, Mouser Description="P-Channel 12 V 31 mOhm Surface Mount Enhancement Mode Mosfet - SOT-23-3", Number Of Channels=1, Number Of P Channels=1, Octopart=https://octopart.com/dmp1045u-7-diodes+inc.-20474459, RoHS=TRUE, Rthja Max=168°C/W, Standoff Height=0.013mm, Temperature Range High=+150°C, Threshold Vgs Max=-1V, Threshold Vgs Min=-0.3V, Turn Off Delay Time=91.2ns, Turn On Delay Time=15.7ns
Q3 Q4: library part CMP-1177-00042-1, "NPN Silicon AF Transistor, 45 V VCEO, 100 mA IC, SOT23, Reel, Green", Manufacturer=Infineon, ComponentLink1Description="Manufacturer URL", ComponentLink1URL=http://www.infineon.com/, ComponentLink2Description=Datasheet, ComponentLink2URL=http://www.infineon.com/dgdl/bc847series_bc848series_bc849series_bc850series.pdf?folderId=db3a304314dca389011541d30fa21656&fileId=db3a304314dca389011541d4630a1657, ComponentLink3Description="Package Specification", ComponentLink3URL=http://www.infineon.com/dgdl/SOT23-Package_Overview.pdf?folderId=db3a30431936bc4b0119532290053c66&fileId=db3a30431936bc4b0119533468123c85, fT (typ)="250Â MHz", Green=TRUE, IBM (max)="200Â mA", IC (max)="100Â mA", ICBO (max)="15Â nA", ICM (max)="200Â mA", Mounting Technology="Surface Mount", PackageDescription="3-Pin Small Outline Transistor Package, 1.3 x 2.9 mm Body, 0.95 mm Pitch", PackageReference=SOT23, PackageVersion=Apr-08, Packing=Reel, PartNumber=BC847B, Polarity=NPN, Ptot (max)="330Â mW", VCBO (max)="50Â V", VCEO (max)="45Â V", VEBO (max)="6Â V"
Q5 Q6: library part CMP-20235-000001-1, "NPN TRANSISTOR 1.5A 40V SOT-23 R", Case/Package=TO-236-3, Collector Emitter Breakdown Voltage=25V, Collector Emitter Voltage (VCEO)=400mV, Max Collector Current=1.5A, Max Power Dissipation=300mW, Transition Frequency=100MHz, Max Breakdown Voltage=25V, Mount="Surface Mount", Packaging="Tape and Reel", RoHS Compliant=Yes
R1 R5 R6 R7 R11 R16 R23 R24 R31: library part CMP-2000-03459-1, Manufacturer="Vishay Dale", Resistance=Zero, Part Number=CRCW060354K9FKEA
R2: library part CMP-2000-03459-1, Manufacturer="Vishay Dale", Resistance=54.9K, Part Number=CRCW060354K9FKEA
R3 R32 R33: library part CMP-2000-03459-1, Manufacturer="Vishay Dale", Resistance=1K, Part Number=CRCW060354K9FKEA
R4 R10 R12 R13 R17 R18 R21 R22: library part CMP-2000-03459-1, Manufacturer="Vishay Dale", Resistance=10K, Part Number=CRCW060354K9FKEA
R8: library part CMP-2000-03459-1, Manufacturer="Vishay Dale", Resistance=330R, Part Number=CRCW060354K9FKEA
R9: library part CMP-2000-03459-1, Manufacturer="Vishay Dale", Resistance=15K, Part Number=CRCW060354K9FKEA
R14 R37 R38 R39 R40: library part CMP-2000-03459-1, Manufacturer="Vishay Dale", Resistance=300R, Part Number=CRCW060354K9FKEA
R15: library part CMP-2000-03459-1, Manufacturer="Vishay Dale", Resistance=6.34K, Part Number=CRCW060354K9FKEA
R19 R20: library part CMP-2000-03459-1, Manufacturer="Vishay Dale", Resistance=100K, Part Number=CRCW060354K9FKEA
R25: library part CMP-2000-03459-1, Manufacturer="Vishay Dale", Resistance=5K, Part Number=CRCW060354K9FKEA
R26 R34 R36: library part CMP-2000-03459-1, Manufacturer="Vishay Dale", Resistance=12K, Part Number=CRCW060354K9FKEA
R27: library part CMP-2000-03459-1, Manufacturer="Vishay Dale", Resistance=2K, Part Number=CRCW060354K9FKEA
R28: library part CMP-2000-03459-1, Manufacturer="Vishay Dale", Resistance=3.3K, Part Number=CRCW060354K9FKEA
R29 R30: library part CMP-2000-03459-1, Manufacturer="Vishay Dale", Resistance=470R, Part Number=CRCW060354K9FKEA
R35: library part CMP-2000-03459-1, Manufacturer="Vishay Dale", Resistance=4.7K, Part Number=CRCW060354K9FKEA
SW1 SW2: library part CMP-2000-05160-2, "SWITCH TACTILE SPST-NO 0.05A 12V", Case/Package=SMD/SMT, Color=Black, Contact Resistance=100mR, Current Rating=50mA, Max Operating Temperature=60°C, Max Voltage Rating (DC)=12V, Min Operating Temperature=-20°C, Operating Force=160gf, Package Quantity=1, Actuator Length=0.85mm, Actuator Material=Nylon, Actuator Type=Standard, Contact Material=Silver, Contact Plating=Silver, Depth=9mm, Illumination Type=Non-Illuminated, Lead Free="Lead Free", Length=6mm, Max Current Rating=50mA, Mechanical Life=100000Cycles, Mount="Surface Mount", Orientation=Straight, Packaging="Tape and Reel", REACH SVHC="No SVHC", Switch Function=Off-Mom, Termination="Gull Wing", Throw Configuration=SPST, Voltage Rating (DC)=12V